# Altium PCB PCB1.PcbDoc
Units mm, origin at the board's own origin, x right, y up, seen from the top; angles counter-clockwise.
Board outline 91 x 100 mm, 2 copper layers (Top Layer, Bottom Layer); 4 components, 7 nets, 83 pads, 0 vias.
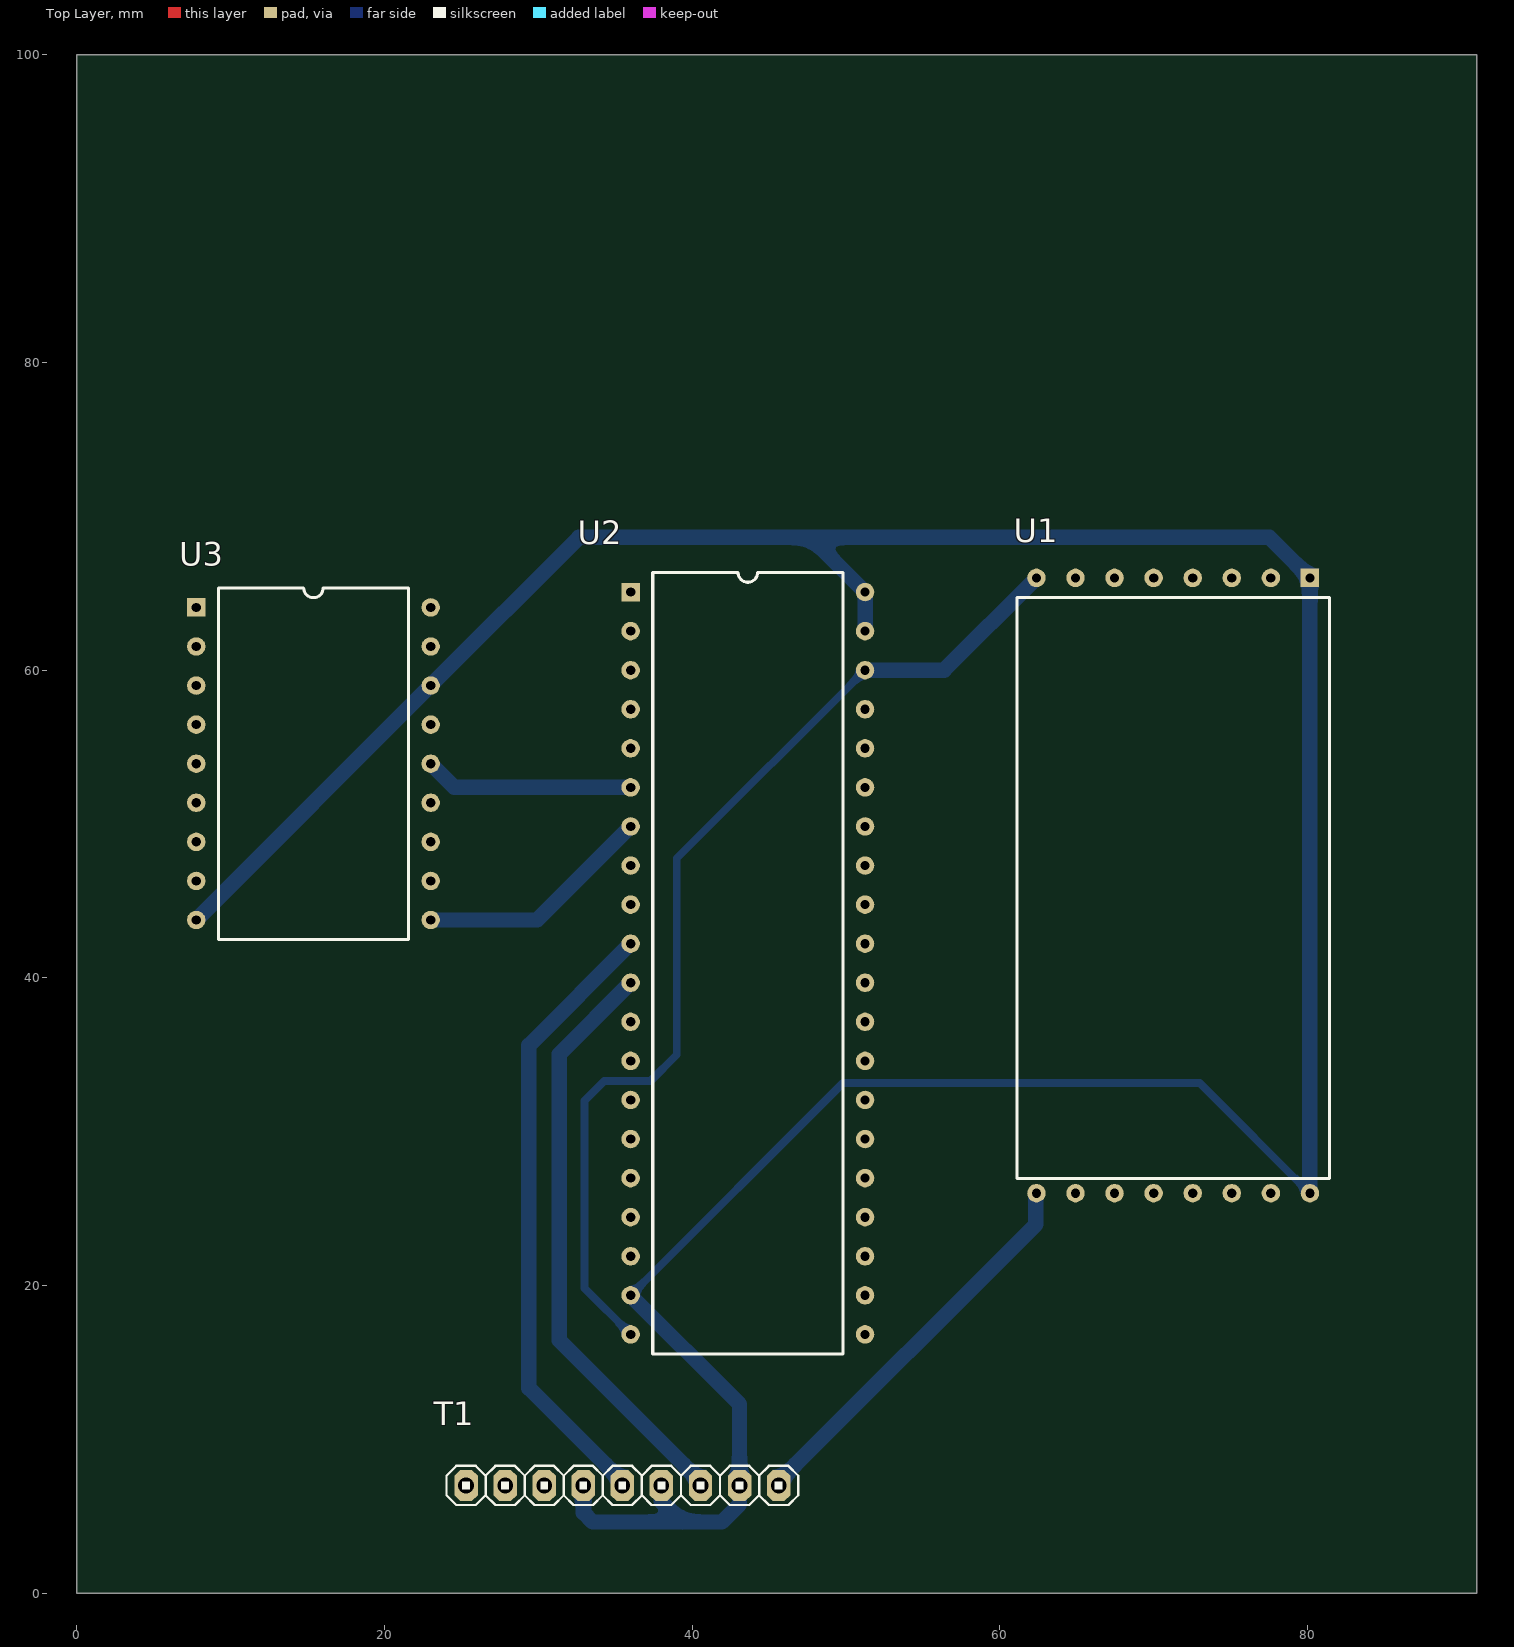
[diagram p0: Top Layer view]
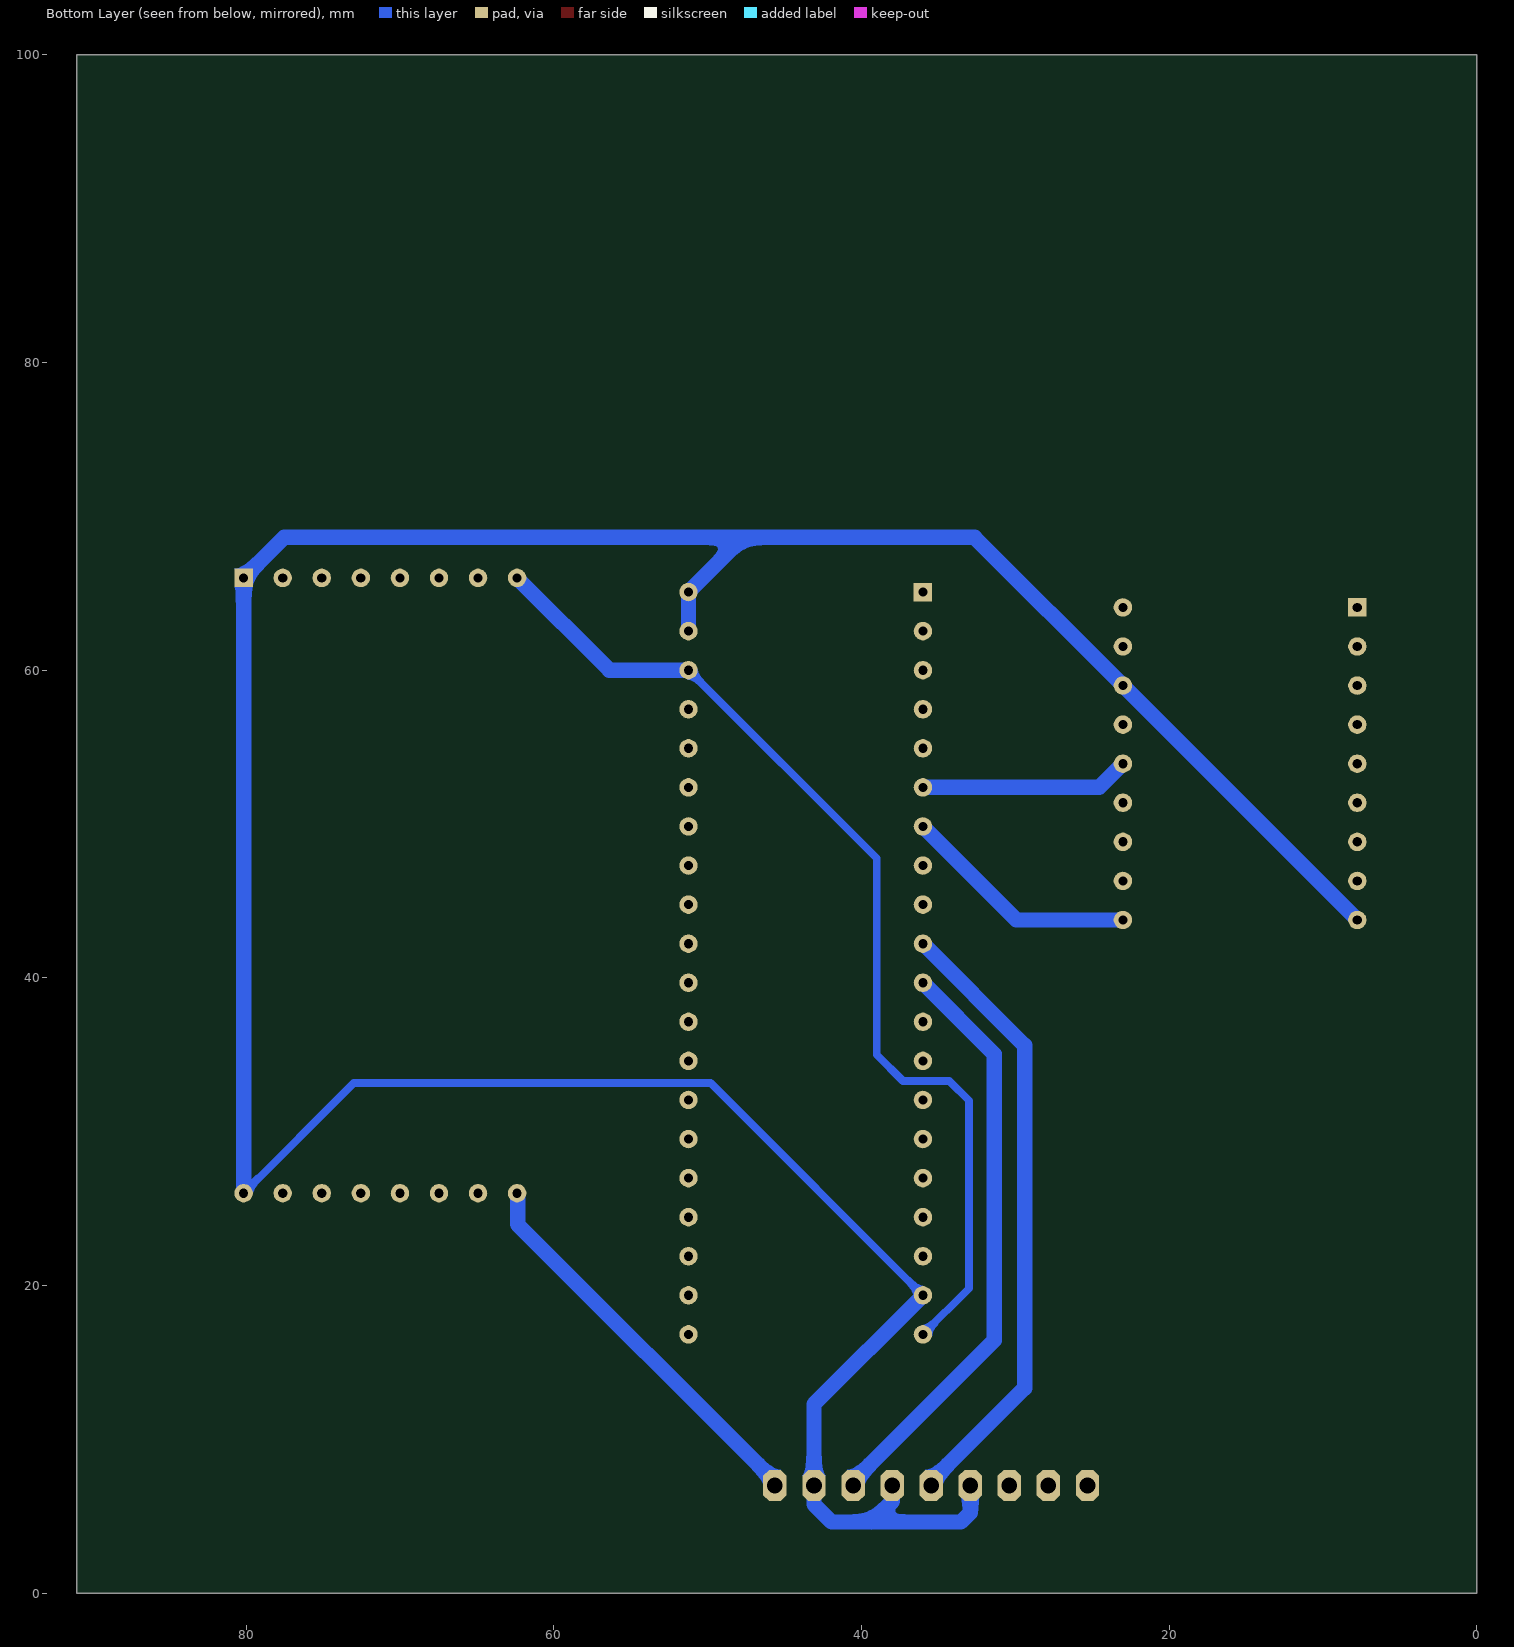
[diagram p1: Bottom Layer view, seen from below]
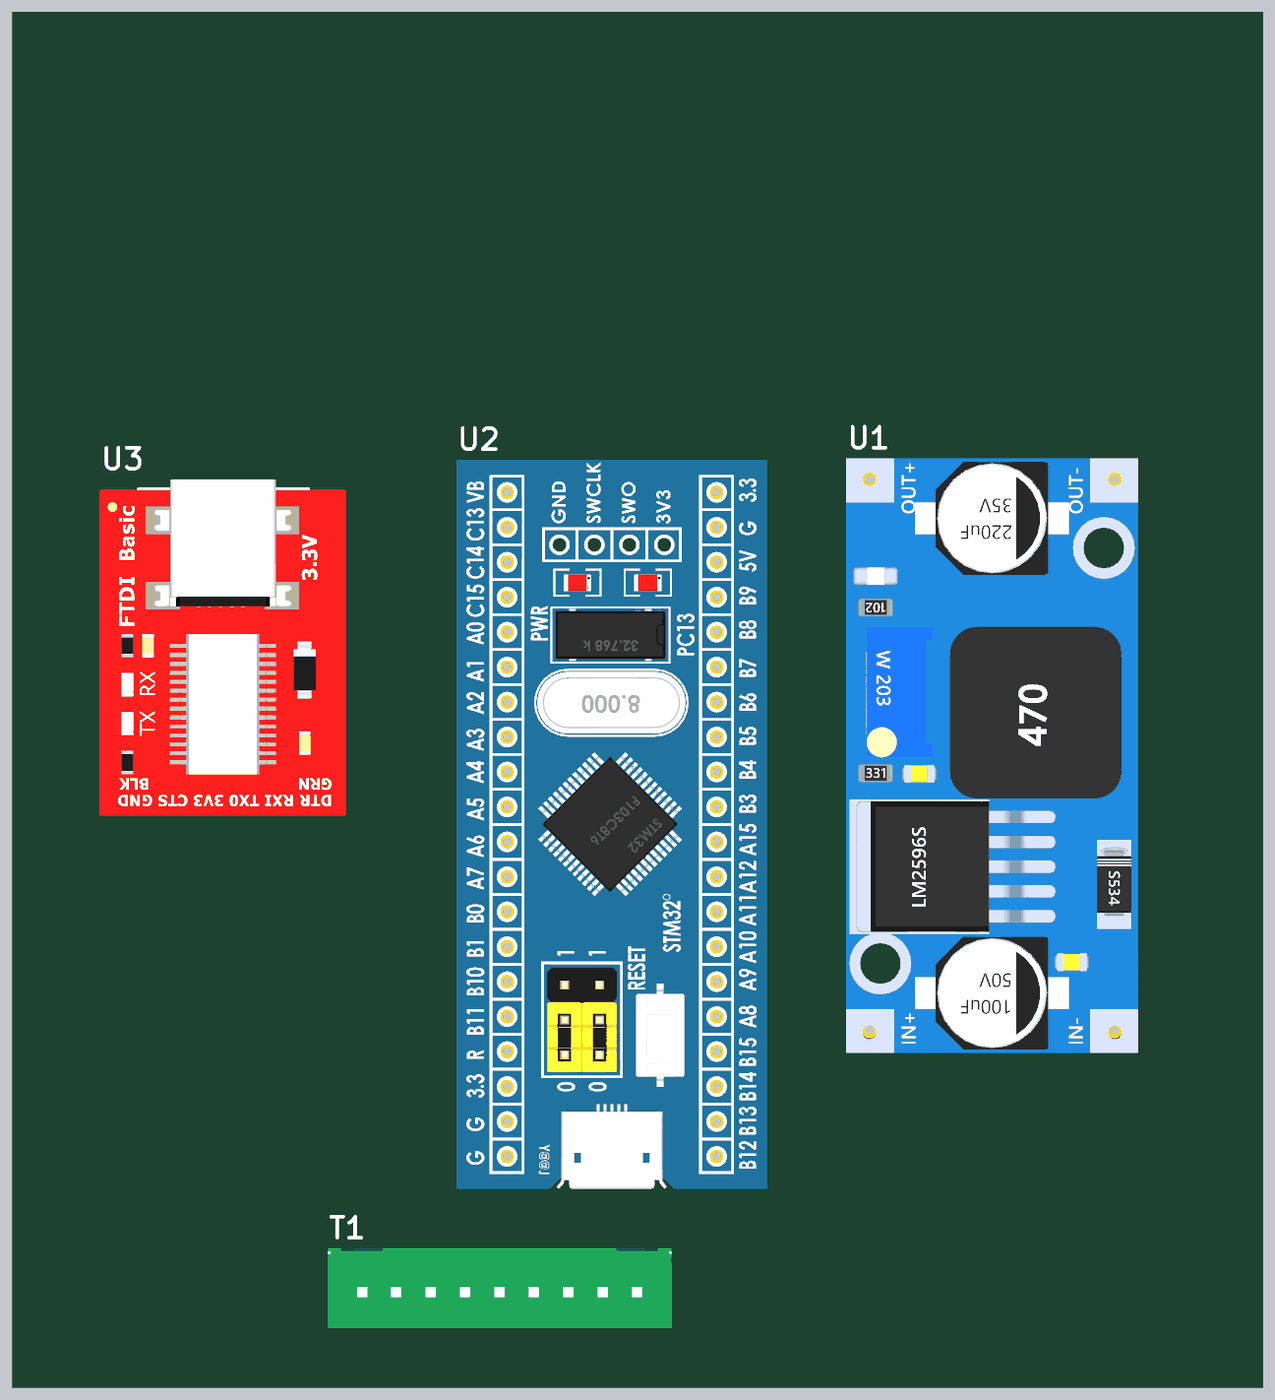
[diagram p2: 3D render of the assembled board from above, using the file's embedded part models]

## Layer stack, top to bottom
Top Solder: solder mask 0.0102, Solder Resist, Dk 3.5
Top Layer: signal copper 0.0356
Dielectric 1: dielectric 0.32, FR-4, Dk 4.8
Bottom Layer: signal copper 0.0356
Bottom Solder: solder mask 0.0102, Solder Resist, Dk 3.5

## Board outline
0,0 91,0 91,100 0,100

## Design rules (kind name [scope] priority, off if disabled: settings)
Clearance [All] p1: gap=0.254 ignorepadtopadclearanceinfootprint=FALSE except(0: Arc-Hole Track-Hole SMDPad-Hole THPad-Hole Via-Hole Fill-Hole Poly-Hole Region-Hole Text-Hole)
PolygonConnect [All] p1: connectstyle=Relief reliefconductorwidth=0.254 reliefentries=4 polygonreliefangle="90 Angle" airgapwidth=0.254
RoutingVias [All] p1: holewidth=0.711 width=1.27 viastyle="Through Hole" minholewidth=0.711 minwidth=1.27 maxholewidth=0.711 maxwidth=1.27
SolderMaskExpansion [All] p1: expansion=0.102 istentingtop=FALSE
Width [All] p1: maxlimit=1 minlimit=0.254 preferedwidth=0.5
30 further rules are at their usual default settings.

## Classes and differential pairs
component class Sheet1: T1 U2 U3

## Components (designator, comment, footprint, x,y, rotation, side; value= is the part's Value field where it differs from the comment)
T1 "Header 9" 1X09 35.46,7 r180 top
U1 "LM2596 module" "LM2596 module" 61.11,66 r0 top
U2 "Blue Pill" "Blue Pill" 36,65.08 r0 top
U3 "FTDI module" "FTDI module" 7.76,64.08 r0 top

## Footprints (in the part's own frame and the unit in brackets; to place one, negate y for a bottom-side part, rotate by r counter-clockwise, add the part's x,y. Pads: shape width x height; smd on the part's side, far side on the other; paste and mask are expansions set on the pad)
1X09 [mil]
  oct 60x80 hole 40: 1(-400,0) 2(-300,0) 3(-200,0) 4(-100,0) 5(0,0) 6(100,0) 7(200,0) 8(300,0) 9(400,0)
  silkscreen extent -450,-50 450,50, body extent -492,-123 492,105, height 260
"Blue Pill" [mm]
  round 1.2 hole 0.6: 3.3(0,-48.26) 3.3(15.24,-5.08) 5V(0,-43.18) A0(15.24,-38.1) A1(15.24,-35.56) A2(15.24,-33.02) A3(15.24,-30.48) A4(15.24,-27.94) A5(15.24,-25.4) A6(15.24,-22.86) A7(15.24,-20.32) A8(0,-10.16) A9(0,-12.7) A10(0,-15.24) A11(0,-17.78) A12(0,-20.32) A15(0,-22.86) B0(15.24,-17.78) B1(15.24,-15.24) B3(0,-25.4) B4(0,-27.94) B5(0,-30.48) B6(0,-33.02) B7(0,-35.56) B8(0,-38.1) B9(0,-40.64) B10(15.24,-12.7) B11(15.24,-10.16) B13(0,-2.54) B14(0,-5.08) B15(0,-7.62) C13(15.24,-45.72) C14(15.24,-43.18) C15(15.24,-40.64) G(0,-45.72) G(15.24,-2.54) G(15.24,0) R(15.24,-7.62) VB(15.24,-48.26)
  rect 1.2x1.2 hole 0.6: B12(0,0)
  silkscreen extent 1.43,-49.53 13.8,1.27, body extent -3.68,-50.64 18.92,2.36, height 11.1
"FTDI module" [mm]
  round 1.2 hole 0.6: 3.3V(0,-10.16) 5V(0,-12.7) CTS(0,-7.62) DCD(15.24,0) DTR(15.24,-17.78) ENTEN(0,-2.54) GND(0,-20.32) GND(15.24,-5.08) R1(15.24,-7.62) RSD(15.24,-2.54) RTS(15.24,-15.24) RXD(15.24,-10.16) RXL(0,-15.24) SLEEP(0,-5.08) TXD(15.24,-20.32) TXL(0,-17.78) VCC(15.24,-12.7)
  rect 1.2x1.2 hole 0.6: PWR(0,0)
  silkscreen extent 1.44,-21.59 13.81,1.27, body extent -1.36,-22.5 16.51,1.92, height 4.77
"LM2596 module" [mm]
  round 1.2 hole 0.6: 2(16.51,0) 3(13.97,0) 4(11.43,0) 5(8.89,0) 6(6.35,0) 7(3.81,0) 10(3.81,-40) 11(6.35,-40) 12(8.89,-40) 13(11.43,-40) 14(13.97,-40) 15(16.51,-40) IN+(1.27,-40) IN-(19.05,-40) OUT+(1.27,0)
  rect 1.2x1.2 hole 0.6: OUT-(19.05,0)
  silkscreen extent 0,-39.05 20.32,-1.28, body extent -0.47,-41.67 20.79,1.53, height 13.35

## Nets (pads, with @x,y where several pads share a name; then routed paths per layer and width w, separated by ;. In a path a pad name is that pad's centre, name@x,y a point inside that pad or via, vN(x,y) a via of type N, cw(c..) or ccw(c..) an arc to the next point about the centre after c; other vN are vias at no path point)
3.3V: U1.OUT+ U2.3.3 | length 67.4
  Bottom Layer w0.5: U2.3.3@36,16.82 33,19.82 33,32 34.293,33.293 37.293,33.293 39,35 39,47.76 U2.3.3@51.24,60
  Bottom Layer w1: U2.3.3@51.24,60 56.38,60 U1.OUT+
5V: T1.1 U1.IN+ | length 25.9
  Bottom Layer w0.5: T1.1 T1.1@45.62,7.254 ; U1.IN+@62.342,25.962 U1.IN+
  Bottom Layer w1: T1.1@45.62,7.254 62.342,23.976 U1.IN+@62.342,25.962
CAMERA_TRG_+: T1.3 U2.B3 | length 38.4
  Bottom Layer w1: U2.B3 31.369,35.049 31.369,16.425 40.54,7.254 T1.3
GND: T1.2 T1.4 T1.6 U1.IN- U1.OUT- U2.G U3.GND | length 216.3
  Bottom Layer w0.5: U2.G@36,19.36 49.804,33.164 72.996,33.164 U1.IN-
  Bottom Layer w1: U3.GND@7.76,43.76 23,59 32.631,68.631 47.689,68.631 ; T1.6 32.92,5.229 33.528,4.621 39.348,4.621 ; U2.G@36,19.36 43.08,12.28 T1.2 43.08,5.769 41.932,4.621 39.348,4.621 ; T1.4 38,5.969 39.348,4.621 ; U2.G@51.24,62.54 51.24,65.08 47.689,68.631 ; U1.IN- U1.OUT- 77.529,68.631 47.689,68.631
LIGHT_TRG_+: T1.5 U2.A15 | length 40.5
  Bottom Layer w0.5: T1.5 T1.5@35.46,7.254
  Bottom Layer w1: T1.5@35.46,7.254 29.388,13.326 29.388,35.608 U2.A15
uc_RX: U2.A10 U3.TXD | length 15.5
  Bottom Layer w1: U3.TXD 29.92,43.76 U2.A10
uc_TX: U2.A9 U3.RXD | length 13.6
  Bottom Layer w1: U3.RXD 24.54,52.38 U2.A9
pads on no net: T1.7 T1.8 T1.9 U1.2 U1.3 U1.4 U1.5 U1.6 U1.7 U1.10 U1.11 U1.12 U1.13 U1.14 U1.15 U2.5V U2.A0 U2.A1 U2.A2 U2.A3 U2.A4 U2.A5 U2.A6 U2.A7 U2.A8 U2.A11 U2.A12 U2.B0 U2.B1 U2.B4 U2.B5 U2.B6 U2.B7 U2.B8 U2.B9 U2.B10 U2.B11 U2.B12 U2.B13 U2.B14 U2.B15 U2.C13 U2.C14 U2.C15 U2.R U2.VB U3.3.3V U3.5V U3.CTS U3.DCD U3.DTR U3.ENTEN U3.PWR U3.R1 U3.RSD U3.RTS U3.RXL U3.SLEEP U3.TXL U3.VCC

## Silkscreen, mask and mechanical layers (free items; w line width, h text height)
Mechanical 1:
  the board outline again, w0.254